# KiCad board amp board.kicad_pcb (continued)
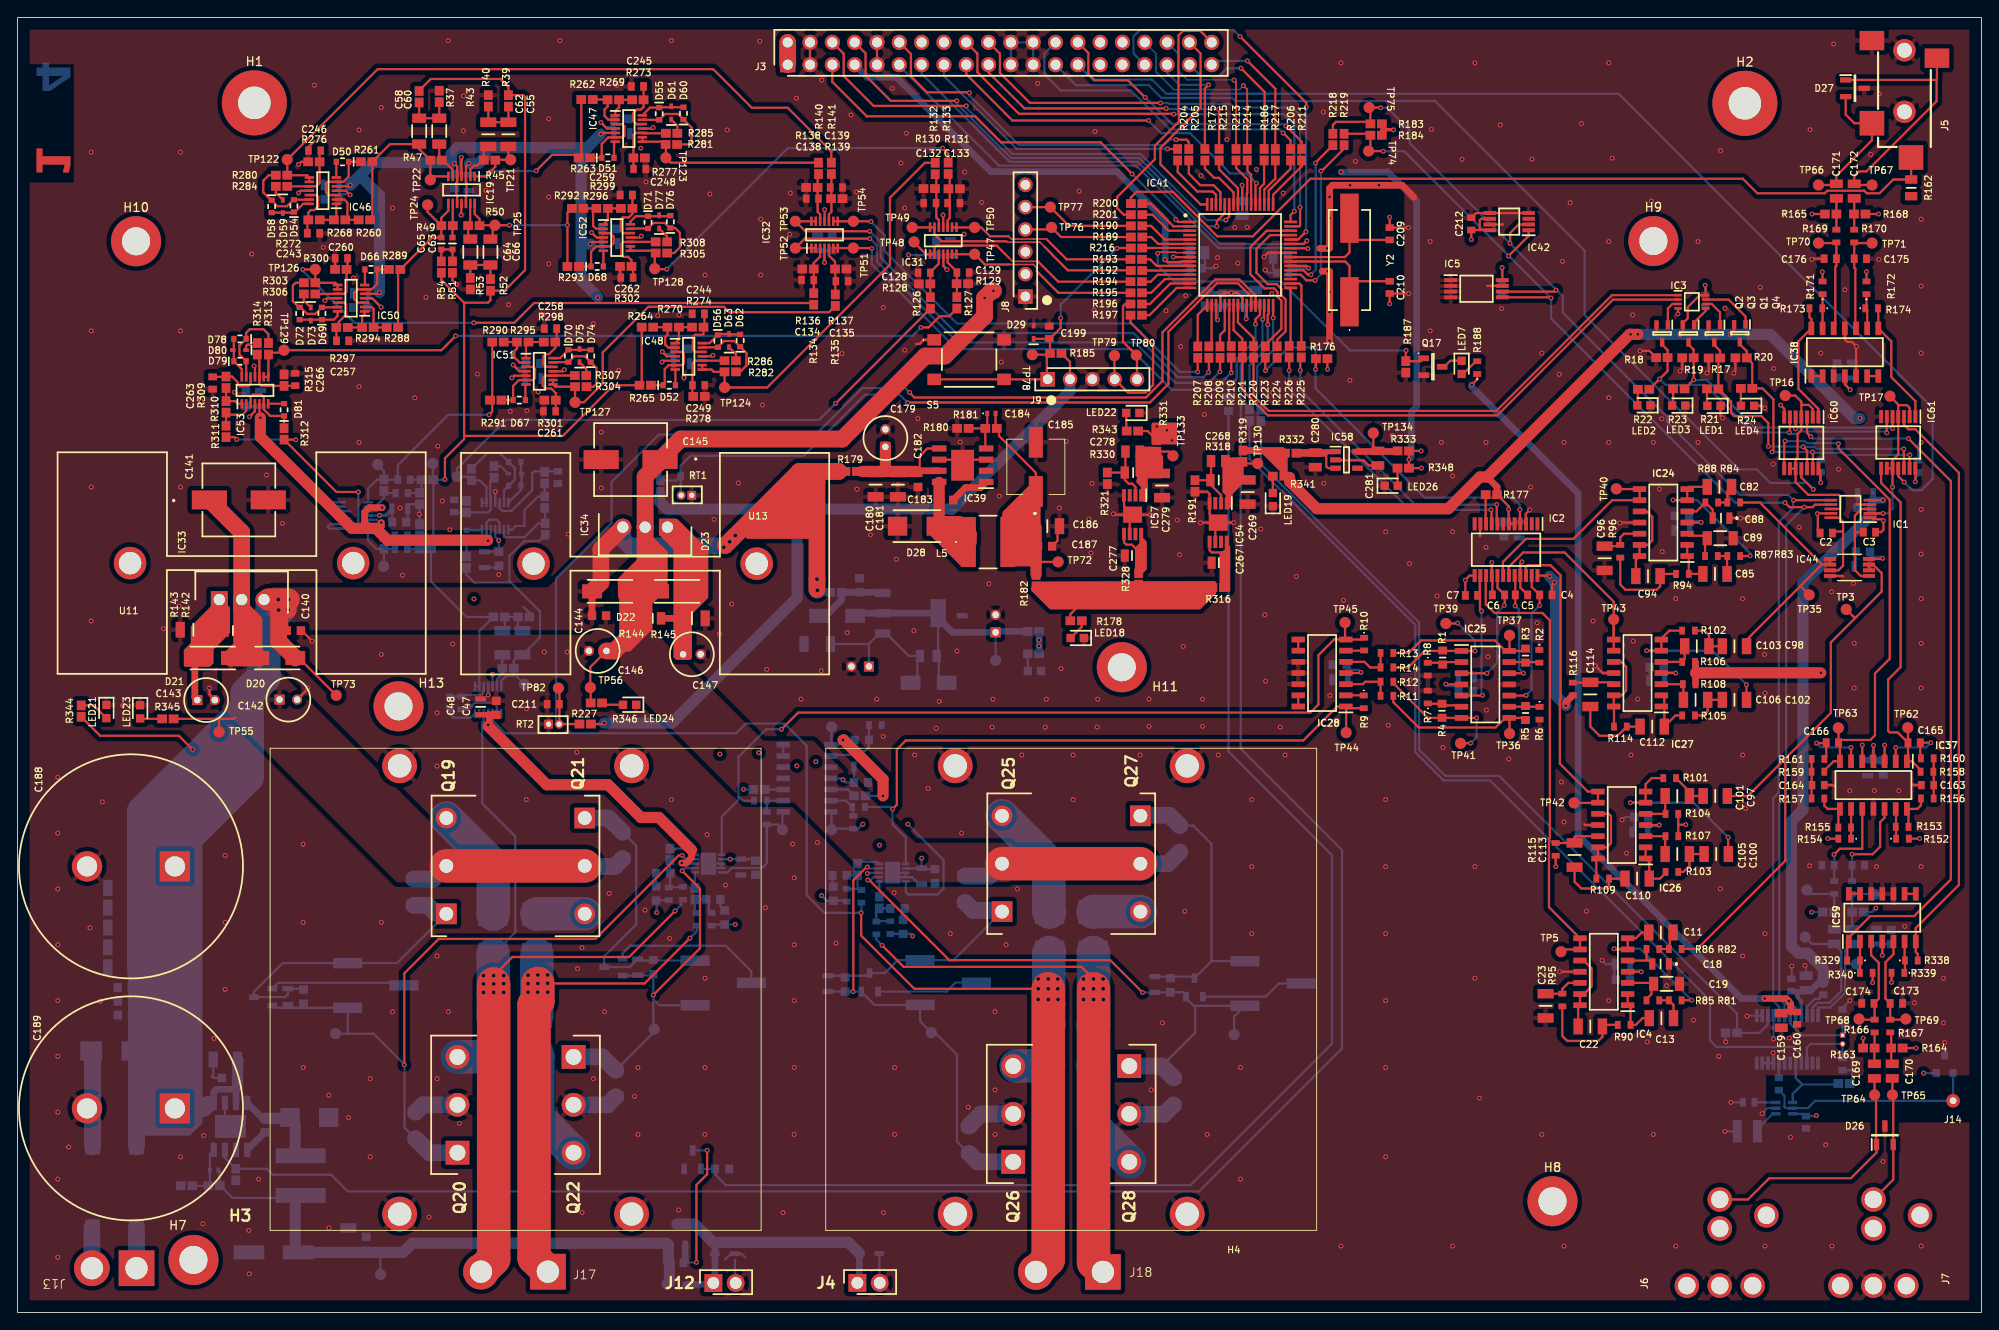
[diagram p0: board, top side]
## Routing (per net, layer and track width the routed paths; a pad name or vN(x,y) marks a point on that pad's centre or on a via; arc(x,y) is an arc through that point) (continued)
VCC Signal: length 291.3
  Top w0.254: v1(65.33,122.86) 65.9,122.29 IC52.4 ; v1(66.4,135.38) 67.08,134.7 IC47.4 ; C48.1 53.57,68 ; IC59.4 v1(212.24,40.62) ; v1(37.85,127.15) 37.37,127.63 IC46.4 ; IC28.4 152.83,72.75 v1(152.91,72.82) ; IC32.4 v1(91.85,119.46) ; IC53.4 27.02,102.54 v1(26.39,101.91) ; IC19.4 50.53,131.38 v1(50.5,131.42) ; v1(73.38,109.3) 73.9,108.78 IC48.4 ; IC44.8 212.19,85.73 v1(212.27,85.8) ; IC25.4 162.59,71.45 v1(162.56,71.48) ; IC38.4 207.98,105.59 v1(208.58,104.98) ; IC24.4 191.59,89.87 v1(191.62,89.89) ; 54.47,68 C47.1 ; IC37.4 v1(211.23,64.52) ; IC51.4 57.11,107.08 56.77,107.42 56.77,107.44 v1(56.41,107.8) ; IC27.4 v1(188.72,72.75) ; IC4.4 v1(184.78,38.76) ; v1(105.79,118.64) 105.36,119.08 IC31.4 ; v1(41.38,114.38) 40.36,115.39 IC50.4 ; IC26.4 v1(186.86,55.45)
  Top w0.762: 53.57,66.7 v1(53.57,66.85) 53.7,66.98 53.7,67.87 53.57,68 54.47,68 ; v1(75.59,51.13) 76.1,51.13 76.71,51.74 76.71,52.6
  Top w1.27: 76.71,52.6 73,56.31 70.94,56.31 67.22,60.04 60.23,60.04 53.57,66.7
  In2.Cu w0.254: 202.06,40.62 202.01,40.56 ; v1(212.24,40.62) 212.29,40.68 ; 202.26,62.26 202.23,62.28 ; v1(41.2,90.68) 42.21,90.68 ; 95.25,61.09 95.3,61.14
  In2.Cu w0.381: 94.11,51.49 94.11,50.7 94.87,49.94 v1(96.72,49.94)
  In2.Cu w0.762: 80.67,51.13 81.05,51.51 ; 80.67,51.13 v1(81.1,51.56) ; 80.67,51.13 v1(75.59,51.13) ; 202.23,85.8 202.21,85.83 ; v1(105.79,118.64) 106.83,118.64 111.46,123.27 111.46,130.2 121.64,140.39 124.18,140.39 J3.31
  In2.Cu w1.27: 95.3,67.01 95.58,66.73 95.58,61.42 95.3,61.14 ; v1(212.27,85.8) 202.23,85.8 ; v1(211.23,64.52) 211.23,63.25 210.24,62.26 202.26,62.26 ; v1(212.24,40.62) 202.06,40.62 ; 81.05,51.51 89.38,51.51 89.41,51.49 89.69,51.77 102.82,51.77 v1(102.91,51.68) ; v1(81.1,51.56) 90.14,60.6 v1(93.95,60.6) 94.77,60.6 95.25,61.09
  Bottom w0.254: v1(186.86,55.45) 186.73,55.32 185.81,55.32 185.68,55.45 ; v1(212.24,40.62) 212.26,40.65 212.26,41.92 ; v1(212.27,85.8) 212.12,85.95 210.86,85.95 210.83,85.93 ; C118.1 151.28,72.11 C117.1 ; v1(91.85,119.46) 91.77,119.53 91.77,120.76 91.82,120.81 ; C228.1 102.9,51.67 v1(102.91,51.68) ; C228.1 102.89,50.52 U15.2 ; C228.1 103,50.43 C227.1 ; IC49.4 54.36,88.23 v1(54.76,87.83) 54.79,87.81 54.79,86.38 ; v1(75.59,51.13) 75.66,51.06 U14.8 ; C54.1 42.63,91.42 C52.1 ; 39.8,115.21 39.9,115.32 40.44,115.32 v1(41.38,114.38) ; 185.68,55.45 185.67,55.45 185.6,55.52 C107.1 ; 185.68,55.45 185.54,55.32 C109.1 ; v1(152.91,72.82) 152.63,73.1 151.36,73.1 151.28,73.03 ; U14.2 v1(81.1,51.56) 83.81,51.56 C220.1 ; C111.1 187.36,71.98 187.36,72.72 ; 74.74,108.92 74.74,108 C237.1 ; 74.74,108.92 74.62,109.04 73.63,109.04 v1(73.38,109.3) ; 74.74,108.92 C241.1 ; v1(37.85,127.15) 37.77,127.23 36.69,127.23 36.61,127.31 ; v1(188.72,72.75) 188.65,72.82 187.46,72.82 187.36,72.72 ; 163.99,71.43 163.83,71.27 162.76,71.27 v1(162.56,71.48) ; 163.99,71.43 163.99,70.7 C99.1 ; 163.99,71.43 C104.1 ; C177.1 207.13,106.31 207.98,106.31 ; C285.1 210.83,84.88 C286.1 ; 105.38,120.25 104.62,120.25 C131.1 101.42,120.29 v1(101.4,120.32) ; 105.38,120.25 105.44,120.19 105.44,119 v1(105.79,118.64) ; 105.38,120.25 C130.1 106.7,120.25 ; 36.61,127.31 C235.1 ; 36.61,127.31 36.61,126.72 C239.1 ; C236.1 67.88,134.93 ; 67.88,134.93 67.88,135.78 C240.1 ; 67.88,134.93 67.81,134.85 66.93,134.85 v1(66.4,135.38) ; v1(56.41,107.8) 56.79,107.42 57.67,107.42 57.78,107.31 ; 53.14,86.55 53.15,86.56 54.45,86.56 54.71,86.31 54.79,86.38 ; 54.79,86.38 C242.1 ; v1(65.33,122.86) 65.89,122.3 66.44,122.3 66.56,122.43 ; C53.1 51.33,129.49 50.5,129.49 ; 26.87,103.1 25.99,103.1 C264.1 ; 26.87,103.1 C265.1 ; 26.87,103.1 26.95,103.02 26.95,102.46 v1(26.39,101.91) ; C256.1 66.56,122.43 ; 66.56,122.43 66.56,121.67 C253.1 ; IC20.4 v1(41.2,90.68) ; v1(208.58,104.98) 208.15,105.41 208.15,106.14 207.98,106.31 ; C255.1 57.78,107.89 57.78,107.31 ; IC18.4 53.56,66.71 53.57,66.7 ; v1(191.62,89.89) 191.49,90.02 190.37,90.02 190.22,89.87 ; 57.78,107.31 C252.1 ; 207.98,106.31 C178.1 ; 190.22,89.87 190.22,89.06 C92.1 ; 190.22,89.87 C90.1 ; U15.8 96.81,50.02 v1(96.72,49.94) ; C137.1 92.7,120.81 91.82,120.81 ; 187.36,72.72 C108.1 ; C213.1 C214.1 94.25,60.3 v1(93.95,60.6) 93.8,60.76 93.37,60.76 93.36,60.77 IC45.4 ; 91.82,120.81 C136.1 ; 50.5,129.49 C51.1 ; 50.5,129.49 50.34,129.64 50.34,131.27 v1(50.5,131.42) ; 212.24,40.7 212.19,40.65 ; 210.63,62.81 C168.1 ; C251.1 39.8,115.8 C254.1 ; C20.1 183.5,39.59 C21.1 183.54,38.89 184.66,38.89 v1(184.78,38.76) ; 212.26,41.92 211.56,41.92 C283.1 211.78,41.91 ; 212.26,41.92 C282.1 ; 116.27,77.47 R327.2
  Bottom w0.381: C168.1 211.23,63.53 v1(211.23,64.52) ; v1(41.2,90.68) 41.84,90.68 C54.1
  Bottom w0.762: 116.27,77.47 v1(116.27,76.51) v1(116.27,75.82) R347.2 ; C167.1 210.63,62.81
VCC_Power_L: length 140.9
  Top w0.254: 71.45,89.37 IC34.2 ; 69.48,82.04 D22.2 69.93,82.04 ; 65.2,69.37 R346.2 65.23,71.06 TP56.1 65.19,73.43 C146.1
  Top w1.905: J3.2 J3.1 ; 69.09,76.4 67.95,75.26 C146.1 ; v1(111.07,116.23) 110.87,116.23 v1(110.06,115.42) 110.06,113.34 105.54,108.81 103.3,108.81 93.85,99.37 75.46,99.37 C145.1 73.12,96.8 71.42,95.1 IC34.2 71.42,83.54 69.93,82.04
  Top w3.81: Q25.2 Q27.2
  In2.Cu w1.905: J3.1 87.66,141.35 90.92,138.09 90.93,138.09 103.58,125.44 103.58,118.08 106.25,115.42 v1(110.06,115.42) 111.18,116.54
  Bottom w1.905: R248.1 110.64,49.65 Q25.2 ; Q27.2 130.93,51.05 R254.1
/Main Board/Audio Switching/AUD L: length 19.3
  Top w0.254: IC61.10 213.4,93.92 v1(213.39,93.91) ; IC61.10 213.4,96.96 214.05,97.61 IC61.4 214.05,103.15 ; IC61.10 IC61.9 ; 210.86,90.91 212.32,90.91 v1(212.32,90.91) ; 214.05,103.15 214.12,103.23 215.03,103.23 215.35,102.91 IC61.2 ; 214.05,103.15 214.05,103.3 TP17.1
  Bottom w0.254: v1(213.39,93.91) 213.41,93.89 213.41,91.47 212.85,90.91 v1(212.32,90.91)
/Main Board/Audio Switching/AUD R: length 22.8
  Top w0.254: 203.02,103.18 203.02,103.63 202.34,104.32 TP16.1 ; 203.02,103.18 IC60.4 203.02,100.37 202.59,99.94 202.59,97.24 202.37,97.03 IC60.10 ; 203.02,103.18 203.1,103.25 203.86,103.25 204.32,102.79 IC60.2 ; 206.41,91.41 207.39,91.41 207.44,91.46 207.44,92.86 207.29,93.02 203.82,93.02 202.37,94.46 IC60.10 ; IC60.10 IC60.9
/Main Board/Audio Switching/AUX EN: length 34.1
  Top w0.254: v1(215.37,97.56) 215.35,97.55 IC61.13 ; v1(199.69,97.92) 199.85,98.07 199.85,103.89 198.6,105.13 R24.2 197.43,107.98 R20.2 196.81,109.36 196.02,110.15 Q4.3 ; IC60.13 204.34,96.02 204.34,97.84 v1(204.29,97.89)
  Bottom w0.254: v1(215.37,97.56) 207.95,97.56 207.7,97.82 204.37,97.82 v1(204.29,97.89) 199.72,97.89 v1(199.69,97.92)
/Main Board/Audio Switching/AUX G: length 6.2
  Top w0.254: IC3.7 194.75,115.24 196.67,113.31 Q4.1
/Main Board/Audio Switching/BT EN: length 36.8
  Top w0.254: Q1.3 193.12,110.06 193.78,109.4 R17.2 193.58,108.39 R21.2 195.02,103.64 195.02,102.34 195.38,101.98 198.48,101.98 199.26,101.19 v1(199.26,98.53) ; IC61.12 214.7,97.49 214.68,97.51 v1(214.68,98.25) ; v1(203.23,98.48) 203.67,98.03 IC60.12
  Bottom w0.254: v1(199.26,98.53) 203.17,98.53 v1(203.23,98.48) 204.53,98.48 204.76,98.25 v1(214.68,98.25)
/Main Board/Audio Switching/BT G: length 3.4
  Top w0.254: IC3.6 192.82,114.74 193.77,113.79 Q1.1
/Main Board/Audio Switching/FM EN: length 38.8
  Top w0.254: IC61.6 v1(212.75,100.08) ; IC60.6 201.72,100.19 v1(201.65,100.11) 201.74,100.11 201.75,100.1 ; Q2.3 187.18,110.1 187.8,109.48 R18.2 187.8,107.11 v1(186.89,106.2) R22.2
  Bottom w0.254: v1(212.75,100.08) 212.6,100.23 202.88,100.23 202.6,99.95 201.82,99.95 v1(201.65,100.11) 198.21,100.11 198.2,100.13 197.48,100.13 192.08,105.53 187.56,105.53 186.94,106.15
/Main Board/Audio Switching/FM G: length 3.2
  Top w0.254: IC3.3 188.34,114.74 187.83,114.22 Q2.1
/Main Board/Audio Switching/IN SEL A: length 58.8
  Top w0.254: IC3.1 181.47,115.74 168.3,102.57 142.39,102.57 140.67,104.29 R220.1
/Main Board/Audio Switching/IN SEL B: length 59.9
  Top w0.254: R221.1 139.4,104.94 142.29,102.06 168.4,102.06 181.58,115.24 IC3.2
/Main Board/Audio Switching/TV EN: length 33.7
  Top w0.254: v1(213.41,100.56) 213.4,100.57 IC61.5 ; v1(202.36,100.53) 202.37,100.54 IC60.5 ; R23.2 v1(190.76,106.11) 190.77,106.12 190.77,109.54 190.18,110.12 Q3.3
  Bottom w0.254: 190.78,106.07 192.3,106.07 197.69,100.69 198.65,100.69 198.67,100.7 202.2,100.7 v1(202.36,100.53) 202.49,100.66 213.31,100.66 v1(213.41,100.56)
/Main Board/Audio Switching/TV G: length 2.4
  Top w0.254: Q3.1 190.83,112.65 192.14,113.96 IC3.5
/Main Board/AUX DET: length 98.6
  Top w0.254: R200.1 126.71,126.84 127.37,127.5 131.48,127.5 136.55,122.43 140.59,122.43 147.14,128.98 196.37,128.98 198.02,127.33 205.68,127.33 205.97,127.62 210.19,127.62 210.48,127.33 211.92,127.33 213.49,128.9 R162.1 215.52,131.39 J5.4
/Main Board/AUX IN/AUX L In: length 11.9
  Top w0.254: TP71.1 209.12,121.67 R170.2 C175.2 209.04,118.87 209.17,118.75 209.17,112.55 209.25,112.47 IC38.10
/Main Board/AUX IN/AUX R In: length 12
  Top w0.254: TP70.1 206.94,121.67 R169.2 C176.2 207.01,119.08 206.88,118.95 206.88,112.5 206.71,112.32 IC38.12
/Main Board/AUX IN/TV L In: length 11.3
  Top w0.254: TP69.1 214.84,33.31 R167.2 C173.2 212.6,35.7 212.6,39.84 213.51,40.75 IC59.5
/Main Board/AUX IN/TV R In: length 11.2
  Top w0.254: IC59.3 210.97,40.65 211.84,39.78 211.84,35.7 C174.2 211.36,35.1 R166.2 209.66,33.31
/Main Board/AUX_L: length 14.1
  Top w0.254: IC61.1 216,103.68 213.26,106.43 213.26,110.48 IC38.8 211.79,114.21 R174.2
/Main Board/AUX_R: length 14
  Top w0.254: IC60.1 204.97,102.79 202.69,105.07 202.69,110.48 IC38.14 204.17,113 203.95,113.22 R173.2
/Main Board/Bandpass Filters/1kHz BP: length 21.4
  Top w0.254: IC19.14 52.03,125.37 52.02,125.35 52.02,124.97 52.58,124.41 R50.2 52.63,123.7 TP25.1 ; C66.2 54.08,122.38 54.08,123.45 TP25.1 ; R293.1 v1(62.58,123.7) 62.58,125.1 R292.1 ; 55.98,123.7 v1(55.98,123.7) TP25.1
  Bottom w0.254: v1(55.98,123.7) 62.58,123.7 v1(62.58,123.7)
/Main Board/Bandpass Filters/2.5kHz BP: length 20.3
  Top w0.254: 46.67,125.81 TP24.1 46.66,125.99 46.66,125.22 R49.2 ; R49.2 48.23,124.54 49.03,125.34 IC19.8 ; R49.2 C65.2 47.18,122.29 R289.1 43.31,118.42 R288.1
/Main Board/Bandpass Filters/6.25kHz BP: length 30.3
  Top w0.254: v1(53.67,102.13) 54.02,102.49 R290.1
  Bottom w0.254: R46.2 41.72,94.74 C56.2 43.28,96.4 49.02,102.13 v1(53.67,102.13) 53.72,102.13 ; R46.2 41.69,95.72 41,96.42 TP20.1 ; R46.2 40.94,94.77 39.89,93.73 IC20.1
/Main Board/Bandpass Filters/16kHz BP: length 32.6
  Top w0.254: 24.92,99.37 24.7,99.59 R311.1 24.01,99.3 ; v1(31.67,99.29) 30.34,99.29 R312.1 36.29,93.35 v1(38.79,93.35)
  Bottom w0.254: R48.2 41.69,84.92 TP23.1 ; R48.2 C59.2 ; R48.2 40.85,86.87 39.88,87.83 39.88,89.16 IC20.7 39.1,89.18 38.79,89.49 v1(38.79,93.35) ; v1(31.67,99.29) 31.65,99.31 v1(24.94,99.31) 24.92,99.34
/Main Board/Bandpass Filters/63Hz BP: length 31.7
  Bottom w0.254: TP18.1 56.71,72.44 55.64,72.44 55.06,71.86 IC18.14 ; R267.1 51.09,83.94 51.99,83.03 56.17,83.03 ; 56.46,72.44 56.47,72.46 R34.2 56.47,74.13 57.16,74.81 C50.2 59.46,76.82 59.46,79.74 55.98,83.22 55.98,86.08 57.66,87.76 59.34,87.76 R266.1
/Main Board/Bandpass Filters/160Hz BP: length 24.7
  Top w0.254: C55.2 55.86,131.4 TP21.1 54.42,131.15 R45.2 54.37,130.34 v1(53.78,129.76) 53.28,129.25 IC19.1 ; v1(59.03,129.9) 60.83,131.7 63.52,131.7 R263.1 64.16,131.67 R262.1
  Bottom w0.254: v1(59.03,129.9) 58.99,129.86 53.89,129.86 v1(53.78,129.76)
/Main Board/Bandpass Filters/400Hz BP: length 19.7
  Top w0.254: R260.1 40.38,124.56 R261.1 42.39,132.92 C58.2 45.71,132.37 R47.2 TP22.1 47.37,129.25 IC19.7
/Main Board/Bandpass Filters/AVG OUT: length 130.2
  Top w0.254: 50.83,99.72 62.05,99.72 67.82,105.49 R265.1 71.04,105.75 R264.1 ; 50.83,99.72 50.83,114.88 ; 50.83,99.72 50.83,99.36 48.64,97.18 v1(48.64,94.77) ; R54.2 48.23,117.48 50.83,114.88 ; 50.83,114.88 53.54,114.88 53.82,115.16 R52.2 55.42,116.25 57.76,118.59 57.76,138.28 57.55,138.49 R39.1 55.86,139.44 54.97,140.34 47.03,140.34 45.71,139.01 R37.1
  Bottom w0.254: R41.2 47.32,94.7 47.32,87.13 R38.1 47.06,83.17 51.09,79.13 R36.2 52.56,77.54 IC18.9 IC18.8 ; R41.2 47.28,96.57 TP19.1 ; R41.2 48.62,94.74 v1(48.64,94.77) 48.67,94.79
/Main Board/Bandpass Filters/Left Pos: length 5.8
  Bottom w0.254: IC18.1 IC18.2 54.56,68.94 54.16,69.34 51.99,69.34 51.26,68.62 R33.2
/Main Board/Bandpass Filters/Right Pos: length 4.2
  Bottom w0.254: IC18.6 IC18.7 51.58,67.67 49.7,67.67 ; 49.61,67.67 49.2,68.07 R32.2
/Main Board/EQ Stage/L HI: length 19.3
  Top w0.254: IC25.8 169.32,67.64 168.22,66.55 159.46,66.55 156.58,69.43 R11.1 ; IC25.8 169.81,67.6 TP36.1 ; IC25.8 171.39,67.64 R5.2
/Main Board/EQ Stage/L LO: length 15.7
  Top w0.254: IC25.7 160.53,67.64 156.58,71.59 R12.1 ; IC25.7 v1(166.07,67.64) ; IC25.7 164.26,67.56 ; v1(165.38,64.77) 164.26,64.77 TP41.1
  Bottom w0.254: v1(166.07,67.64) 166.07,65.46 v1(165.38,64.77)
/Main Board/EQ Stage/LEFT HPF: length 36.6
  Top w0.254: TP42.1 179.85,57.97 IC26.9 IC26.8 178.71,59.26 175.54,62.43 175.54,69.7 175.62,69.78 175.62,83.87 174.47,85.01 171.87,85.01 171.66,84.8 171.66,83.81
/Main Board/EQ Stage/LEFT HPF ATT: length 16.6
  Top w0.254: v1(173.24,80.44) C4.1 172.34,82.54 IC2.23 ; v1(171.7,70.21) 171.68,70.18 IC25.10
  Bottom w0.254: v1(171.7,70.21) 172.31,70.82 172.31,79.52 v1(173.24,80.44)
/Main Board/EQ Stage/LEFT LPF: length 52.5
  Top w0.254: 167.11,83.81 167.11,80.57 168.1,79.58 173.56,79.58 174.4,78.74 174.4,54.03 174.3,53.94 174.3,46.1 IC4.8 IC4.9 175.92,41.3 TP5.1
/Main Board/EQ Stage/LEFT LPF ATT: length 16.4
  Top w0.254: IC2.14 166.42,83.77 166.42,81.82 C7.1 166.45,81.32 166.45,79.98 v1(166.62,79.81) ; v1(166.73,70.21) 166.7,70.18 IC25.5
  Bottom w0.254: v1(166.73,70.21) 166.62,70.31 166.62,79.78
/Main Board/EQ Stage/R HI: length 18.1
  Top w0.254: IC25.14 169.81,75.3 TP37.1 ; IC25.14 171.36,75.26 R3.2 ; IC25.14 169.8,75.29 ; IC25.14 169.34,75.26 168.15,76.45 159.74,76.45 158.32,75.03 R13.1
/Main Board/EQ Stage/R LO: length 15.4
  Top w0.254: R14.1 158.27,73.38 160.15,75.26 IC25.1 ; 164.31,75.29 IC25.1 ; IC25.1 v1(165.86,75.26) ; TP39.1 163.86,78.38 v1(163.89,78.42) 163.91,78.44
  Bottom w0.254: v1(165.86,75.26) 165.86,76.45 v1(163.89,78.42)
/Main Board/EQ Stage/RIGHT HPF: length 23.8
  Top w0.254: IC27.9 IC27.8 ; IC27.8 TP43.1 ; IC27.8 181.67,80.87 176.07,86.46 171.37,86.46 169.71,84.8 169.71,83.81
/Main Board/EQ Stage/RIGHT HPF ATT: length 13.2
  Top w0.254: 171.42,72.75 v1(171.4,72.72) IC25.12 ; v1(170.46,80.39) 170.46,81.62 C5.1 170.47,83.76 IC2.20
  Bottom w0.254: v1(170.46,80.39) 170.87,79.98 170.87,79.4 170.89,79.38 170.89,73.23 v1(171.4,72.72)
/Main Board/EQ Stage/RIGHT LPF: length 24
  Top w0.254: 169.06,83.81 169.06,85.39 171.68,88.01 177.09,88.01 181.48,92.41 IC24.9 IC24.8 181.99,93.68 TP40.1
/Main Board/EQ Stage/RIGHT LPF ATT: length 15.2
  Top w0.254: IC2.17 168.44,82.45 C6.1 169.25,80.48 v1(169.21,80.44) ; v1(167.23,72.72) IC25.3
  Bottom w0.254: v1(169.21,80.44) 168.41,79.63 168.41,73.89 v1(167.23,72.72)
/Main Board/EQ Stage/SIG EQ L: length 65.6
  Top w0.254: 201.19,63.02 201.19,51.49 201.24,51.44 191.16,41.35 R82.1 ; 201.19,63.02 196.93,58.76 C97.1 ; 201.19,63.02 206.38,68.2 206.38,76.23 209.27,79.12 ; IC44.6 IC44.7 211.18,85.09 212.17,84.1 212.17,82.02 209.27,79.12 ; 209.27,79.12 208.99,79.12 TP3.1
/Main Board/EQ Stage/SIG EQ R: length 28.1
  Top w0.254: IC44.1 IC44.2 205.36,85.09 ; 205.36,85.09 202.9,82.63 ; 205.36,85.09 198.3,92.15 R84.1 ; 202.9,82.63 202.92,82.63 TP35.1 ; 202.9,82.63 196.79,76.52 C98.1
/Main Board/EQ Stage/SIG L: length 11.1
  Top w0.254: 210.86,91.41 209.87,91.41 209.12,90.66 209.12,88.75 ; 209.12,88.75 209.14,88.77 C3.1 ; 209.12,88.75 209.12,84.46 209.78,83.79 IC44.5
/Main Board/EQ Stage/SIG R: length 9.5
  Top w0.254: 206.41,90.41 207.3,90.41 207.77,89.94 207.77,88.85 ; C2.2 206.73,88.85 207.77,88.85 ; 207.77,88.85 207.77,84.96 207.24,84.43 IC44.3
/Main Board/FAN PWM: length 156.5
  Bottom w0.254: R57.2 137.82,63.81 149.61,52.02 149.61,30.58 133.5,14.48 80.62,14.48 79.39,15.71 R58.2 Q6.1
/Main Board/FAN_EN: length 226.8
  Top w0.254: IC41.30 141.86,114.54 141.86,113.14 v1(141.71,112.98)
  Bottom w0.254: v1(141.71,112.98) 141.71,110.26 139.22,107.77 139.22,64.14 150.75,52.6 150.75,30.05 134.47,13.77 37.59,13.77 35.69,15.67 29.1,15.67 29.07,15.64 28.36,16.35 R349.2 23.59,17.59 23.59,18.48
/Main Board/FM Radio/FM GPO1: length 9.4
  Bottom w0.254: R146.2 207.04,26.04 206.93,25.93 203.12,25.93 ; 203.12,25.93 202.82,26.24 202.81,26.24 202.38,26.68 202.39,26.69 IC36.5 ; 203.12,25.93 202.04,24.85 IC35.4
/Main Board/FM Radio/FM_SW ANT: length 24.9
  Bottom w0.254: C1.1 201.09,24.65 201.09,23.41 201.26,23.24 IC35.5 203.77,23.24 204.6,24.07 207.59,24.07 207.6,24.08 J14.1 D24.1
/Main Board/FM Radio/GPO3: length 7.6
  Bottom w0.254: IC36.3 203.66,30.12 204.09,30.56 207.71,30.56 Y1.2 207.72,28.97 C155.2
/Main Board/FM Radio/RCLK: length 9
  Bottom w0.254: C157.2 207.71,31.55 Y1.1 203.08,31.54 201.75,32.87 IC36.19
/Main Board/FM_INT: length 107.3
  Bottom w0.254: IC36.4 203.02,29.31 202.14,30.2 193.37,30.2 192.63,30.94 192.63,35.48 167.59,60.53 162.31,60.53 159.08,63.75 159.08,78.23 140.21,97.1 R124.1
/Main Board/FM_L: length 40.2
  Top w0.254: C165.1 213.99,65.99 213.08,65.99 212.9,66.17 212.9,72.01 214.33,73.43 214.33,92.15 212.1,94.38 IC61.8 ; C165.1 215.16,66.02 215.14,66.04 TP62.1 ; C165.1 215.16,62.83 IC37.1 215.6,62.71 216.6,61.71 R158.2
/Main Board/FM_nRST: length 100.6
  Bottom w0.254: IC36.15 199.21,32.77 198.25,31.81 R147.1 195.7,33.99 168.66,61.04 162.51,61.04 159.51,64.03 159.51,78.51 141.5,96.52 R123.1
/Main Board/FM_R: length 56.5
  Top w0.254: C166.1 207.56,65.13 210.87,65.13 211.4,65.67 211.4,72.7 213.08,74.37 213.08,92.47 207.24,98.31 v1(207.24,98.83) ; C166.1 207.25,66.26 207.24,66.27 TP63.1 ; C166.1 207.42,64.66 IC37.7 ; R159.2 205.64,61.65 206.7,62.71 IC37.7 ; 207.35,62.77 IC37.7 ; v1(201.17,99.14) 201.07,99.04 IC60.8
  Bottom w0.254: v1(207.24,98.83) 207.16,98.91 203.62,98.91 203.39,99.14 v1(201.17,99.14)
/Main Board/Low Pass Filtering and Attenuation/1kHz IN: length 21.9
  Top w0.178: 117.13,122.09 117.09,122.12 115.62,122.12 113.11,122.12 112.8,122.43
  Top w0.254: TP50.1 106.39,123.44 IC31.9 ; TP50.1 109.68,123.44 110.69,122.43 112.8,122.43 ; TP50.1 108.96,123.47 ; R193.1 119.41,119.81 117.13,122.09
/Main Board/Low Pass Filtering and Attenuation/1kHz PK: length 45.7
  Top w0.254: v1(105.28,132.46) 105.92,131.83 R133.1 ; v1(73.89,118.69) 72.57,118.69 TP128.1 72.52,120.42 R305.1 72.37,120.79 IC52.8 IC52.9
  Bottom w0.254: 73.86,118.67 v1(73.89,118.69) 87.66,132.46 v1(105.28,132.46)
/Main Board/Low Pass Filtering and Attenuation/2.5kHz IN: length 61.1
  Top w0.254: IC32.2 90.82,121.1 TP52.1 89.6,122.17 v1(97,122.17) ; v1(136.84,107.02) 136.86,107.04 R209.1
  Bottom w0.254: 136.86,107.04 v1(136.84,107.02) 135.59,105.77 131.78,105.77 127.18,110.36 107.01,110.36 97.82,119.56 97.82,121.36 v1(97,122.17)
/Main Board/Low Pass Filtering and Attenuation/2.5kHz PK: length 67.9
  Top w0.254: IC50.9 IC50.8 36.17,117.15 R303.1 TP126.1 33.88,118.67 v1(32.46,118.67) ; v1(51.92,112.6) 56.54,112.6 58.79,114.85 90.43,114.85 R134.1
  Bottom w0.254: v1(51.92,112.6) 38.34,112.6 32.46,118.48 v1(32.46,118.67)
/Main Board/Low Pass Filtering and Attenuation/6.25kHz IN: length 55.6
  Top w0.254: R210.1 138.13,106.93 v1(138.15,106.91) ; IC32.6 92.87,121.1 TP51.1 97.19,121.1 v1(97.23,121.06)
  Bottom w0.254: v1(138.15,106.91) 136.22,104.98 131.37,104.98 126.75,109.6 106.88,109.6 97.23,119.25 v1(97.23,121.06)
/Main Board/Low Pass Filtering and Attenuation/6.25kHz PK: length 41.6
  Top w0.254: R135.1 92.36,113.8 81.02,113.8 80.4,114.41 71.79,114.41 66.6,109.22 66.6,105.69 64.46,103.55 TP127.1 R304.1 61.19,105.32 IC51.8 IC51.9
/Main Board/Low Pass Filtering and Attenuation/16kHz IN: length 22.4
  Top w0.178: 116,118.47 116,118.85 115.62,119.23 112.85,119.23
  Top w0.254: 112.85,119.23 110.1,119.23 TP47.1 IC31.6 ; 116,118.47 118.47,116 R195.1
/Main Board/Low Pass Filtering and Attenuation/16kHz PK: length 83.6
  Top w0.254: v1(49.86,111.1) 48.24,109.48 TP129.1 30.04,109.19 28.77,109.19 R313.1 28.55,106.48 IC53.8 IC53.9 ; R127.1 106.04,113.35 104.97,113.35 103.68,112.07 v1(102.82,112.07)
  Bottom w0.254: v1(49.86,111.1) 101.85,111.1 v1(102.82,112.07)
/Main Board/Low Pass Filtering and Attenuation/63Hz IN: length 27.8
  Top w0.178: 112.85,119.96 113.23,119.58 116.13,119.58
  Top w0.254: TP48.1 102.03,121.74 103.38,120.4 IC31.2 104.36,121.19 104.55,121.39 111.43,121.39 112.85,119.96 ; 116.13,119.58 118.44,117.27 R194.1
/Main Board/Low Pass Filtering and Attenuation/63Hz PK: length 68.4
  Top w0.254: R126.1 v1(93.1,103.42)
  Bottom w0.254: IC49.8 IC49.9 53.36,93.91 52.6,94.68 R283.1 51.25,95.09 TP125.1 50.04,96.01 55.58,101.55 91.24,101.55 v1(93.1,103.42)
/Main Board/Low Pass Filtering and Attenuation/160Hz IN: length 59.6
  Top w0.254: R208.1 135.59,107.02 v1(135.53,106.96) ; IC32.13 TP53.1 89.65,123.01 v1(96.98,123.01)
  Bottom w0.254: v1(96.98,123.01) 96.99,123.01 98.25,121.76 98.25,120.02 106.83,111.43 127,111.43 132.03,106.4 134.98,106.4 v1(135.53,106.96)
/Main Board/Low Pass Filtering and Attenuation/160Hz PK: length 22.4
  Top w0.254: R140.1 74.34,130.81 TP123.1 73.79,132.86 R281.1 73.45,133.2 IC47.8 IC47.9
/Main Board/Low Pass Filtering and Attenuation/400Hz IN: length 51.2
  Top w0.254: v1(97.13,124.1) 97.09,124.14 TP54.1 IC32.9 ; v1(134.32,107.01) 134.32,107.02 R207.1
  Bottom w0.254: v1(97.13,124.1) 98.68,122.56 98.68,120.78 106.93,112.52 126.77,112.52 132.28,107.01 v1(134.32,107.01)
/Main Board/Low Pass Filtering and Attenuation/400Hz PK: length 76.2
  Top w0.254: R141.1 92.62,132.09 87.66,137.06 83.57,137.06 79.17,141.45 40.98,141.45 TP122.1 R280.1 32.94,129.39 IC46.8 IC46.9
/Main Board/Low Pass Filtering and Attenuation/AVG IN: length 27.4
  Top w0.178: 116.89,121.23 116.36,121.77 112.65,121.77 112.55,121.87
  Top w0.254: 116.89,121.23 117.83,120.29 117.83,120.27 119.53,118.57 126.68,118.57 R192.1 ; 112.55,121.87 105.16,121.87 104.36,122.68 IC31.13 104.33,123.44 TP49.1
/Main Board/Low Pass Filtering and Attenuation/AVG PK: length 44
  Top w0.254: IC48.9 IC48.8 78.99,107.28 79.25,107.02 R282.1 TP124.1 85.32,105.24 99.29,119.2 99.29,126.82 103.27,130.8 R132.1
/Main Board/Micro/nMCLR: length 36.8
  Top w0.254: R185.1 117.51,110.72 C199.2 ; R185.1 117.36,108.97 TP78.1 ; R185.1 117.14,108.75 117.14,106.27 J9.1 117.23,106.16 S5.4 S5.2 ; C199.2 117.39,110.77 D29.1 ; C199.2 117.52,110.81 118.72,112 v1(118.72,113.13) ; R216.2 125.17,121.11 v1(125.12,121.06)
  Bottom w0.254: v1(118.72,113.13) 118.72,114.66 v1(125.12,121.06)
/Main Board/Micro/OUTPUT TEMP: length 125.7
  Top w0.254: TP82.1 61.67,70.92 C211.2 61.67,66.96 RT2.2 61.65,66.94 R227.1 ; 101.5,104.67 102.08,104.09 128.42,104.09 130.3,105.97 130.3,111.51 136.32,117.53 139.06,117.53 140.9,115.69 IC41.28
  Bottom w0.254: RT2.2 61.29,67.28 61.29,83.49 67.61,89.81 67.61,94.51 72.97,99.87 90.83,99.87 96.11,105.16 101.04,105.16 v1(101.52,104.67)
/Main Board/Micro/PGC: length 9.9
  Top w0.254: R196.1 126.06,114.73 125.82,114.49 125.82,110.43 TP80.1 127.41,108.84 J9.5
/Main Board/Micro/PGD: length 17.1
  Top w0.254: TP79.1 124.84,106.2 J9.4 126.39,104.65 128.37,104.65 129.24,105.51 129.24,110.06 126.67,112.62 R197.1
/Main Board/Micro/REG TEMP: length 87.3
  Top w0.254: IC41.27 140.4,115.58 138.88,117.09 136.5,117.09 130.99,111.58 130.99,105.64 128.88,103.53 101.37,103.53 v1(101.32,103.48)
  Bottom w0.254: C207.2 75.47,93.02 RT1.2 ; C207.2 74.99,94.67 R222.1 73.16,96.58 TP81.1 ; C207.2 75.47,96.35 76.58,97.46 89.48,97.46 96.44,104.42 100.38,104.42 v1(101.32,103.48)
/Main Board/Micro/RXD: length 12.9
  Top w0.254: J8.5 TP77.1 119.68,123.62 R190.1
/Main Board/Micro/TEST: length 40.8
  Top w0.178: IC41.8 131.82,120.57 131.76,120.63 129.9,120.63 v1(129.77,120.5)
  Top w0.254: v1(158.04,109.45) 158,109.41 R187.2 159.71,108.23 Q17.1
  Bottom w0.254: v1(129.77,120.5) 129.77,119.15 131.62,117.3 143.81,117.3 151.66,109.45 v1(158.04,109.45)
/Main Board/Micro/TXD: length 12.6
  Top w0.254: J8.4 117.45,123.22 TP76.1 118.77,122.35 R189.1
/Main Board/Micro/VCAP: length 4
  Top w0.254: IC41.56 139.4,128.22 v1(139.38,128.24)
  Bottom w0.254: v1(139.38,128.24) C198.2
/Main Board/Output Stage/AUD L: length 75.3
  Top w0.254: IC28.1 151.22,68.91 TP44.1 ; IC28.1 150.19,68.94 146.33,65.07 101.09,65.07 100.08,64.06 100.08,57.76 v1(99.59,57.28) ; IC28.1 151.38,68.74 R9.2
  Bottom w0.254: R229.1 99.36,57.51 v1(99.59,57.28) 99.59,55.52 101.09,54.02 U15.1
/Main Board/Output Stage/AUD R: length 96
  Top w0.254: IC28.7 153.06,76.56 R10.1 ; IC28.7 149.84,76.56 148.06,74.78 148.06,69.16 147.14,68.25 88.85,68.25 v1(86.94,66.35) ; IC28.7 151.09,76.65 TP45.1
  Bottom w0.254: v1(86.94,66.35) 85.19,66.35 82.04,63.2 82.04,58.73 ; 82.04,58.73 82.55,58.22 83.81,58.22 R237.1 ; 82.04,58.73 82.04,58.29 80.15,56.4 U14.1
/Main Board/Output Stage/Neg L: length 68.4
  Top w0.254: v1(128.04,36.4) 124.36,40.08 106.04,40.08 96.92,49.2 v1(96.78,49.2)
  Bottom w0.254: 134.03,34.89 VR6.1 138.46,33.66 TP121.1 ; 134.03,34.89 133.85,34.89 132.99,35.74 Q29.2 132.99,36.12 132.68,36.43 C229.2 131.19,36.41 C230.2 129.42,36.4 v1(128.04,36.4) ; 134.03,34.89 134.03,31.83 130.23,28.03 ; U15.7 97.41,49.52 97.09,49.2 v1(96.78,49.2) ; R255.1 131.58,26.68